# Altium PCB Copy of DIOT_SMA16_.PcbDoc (part 1 of 6) (continued)
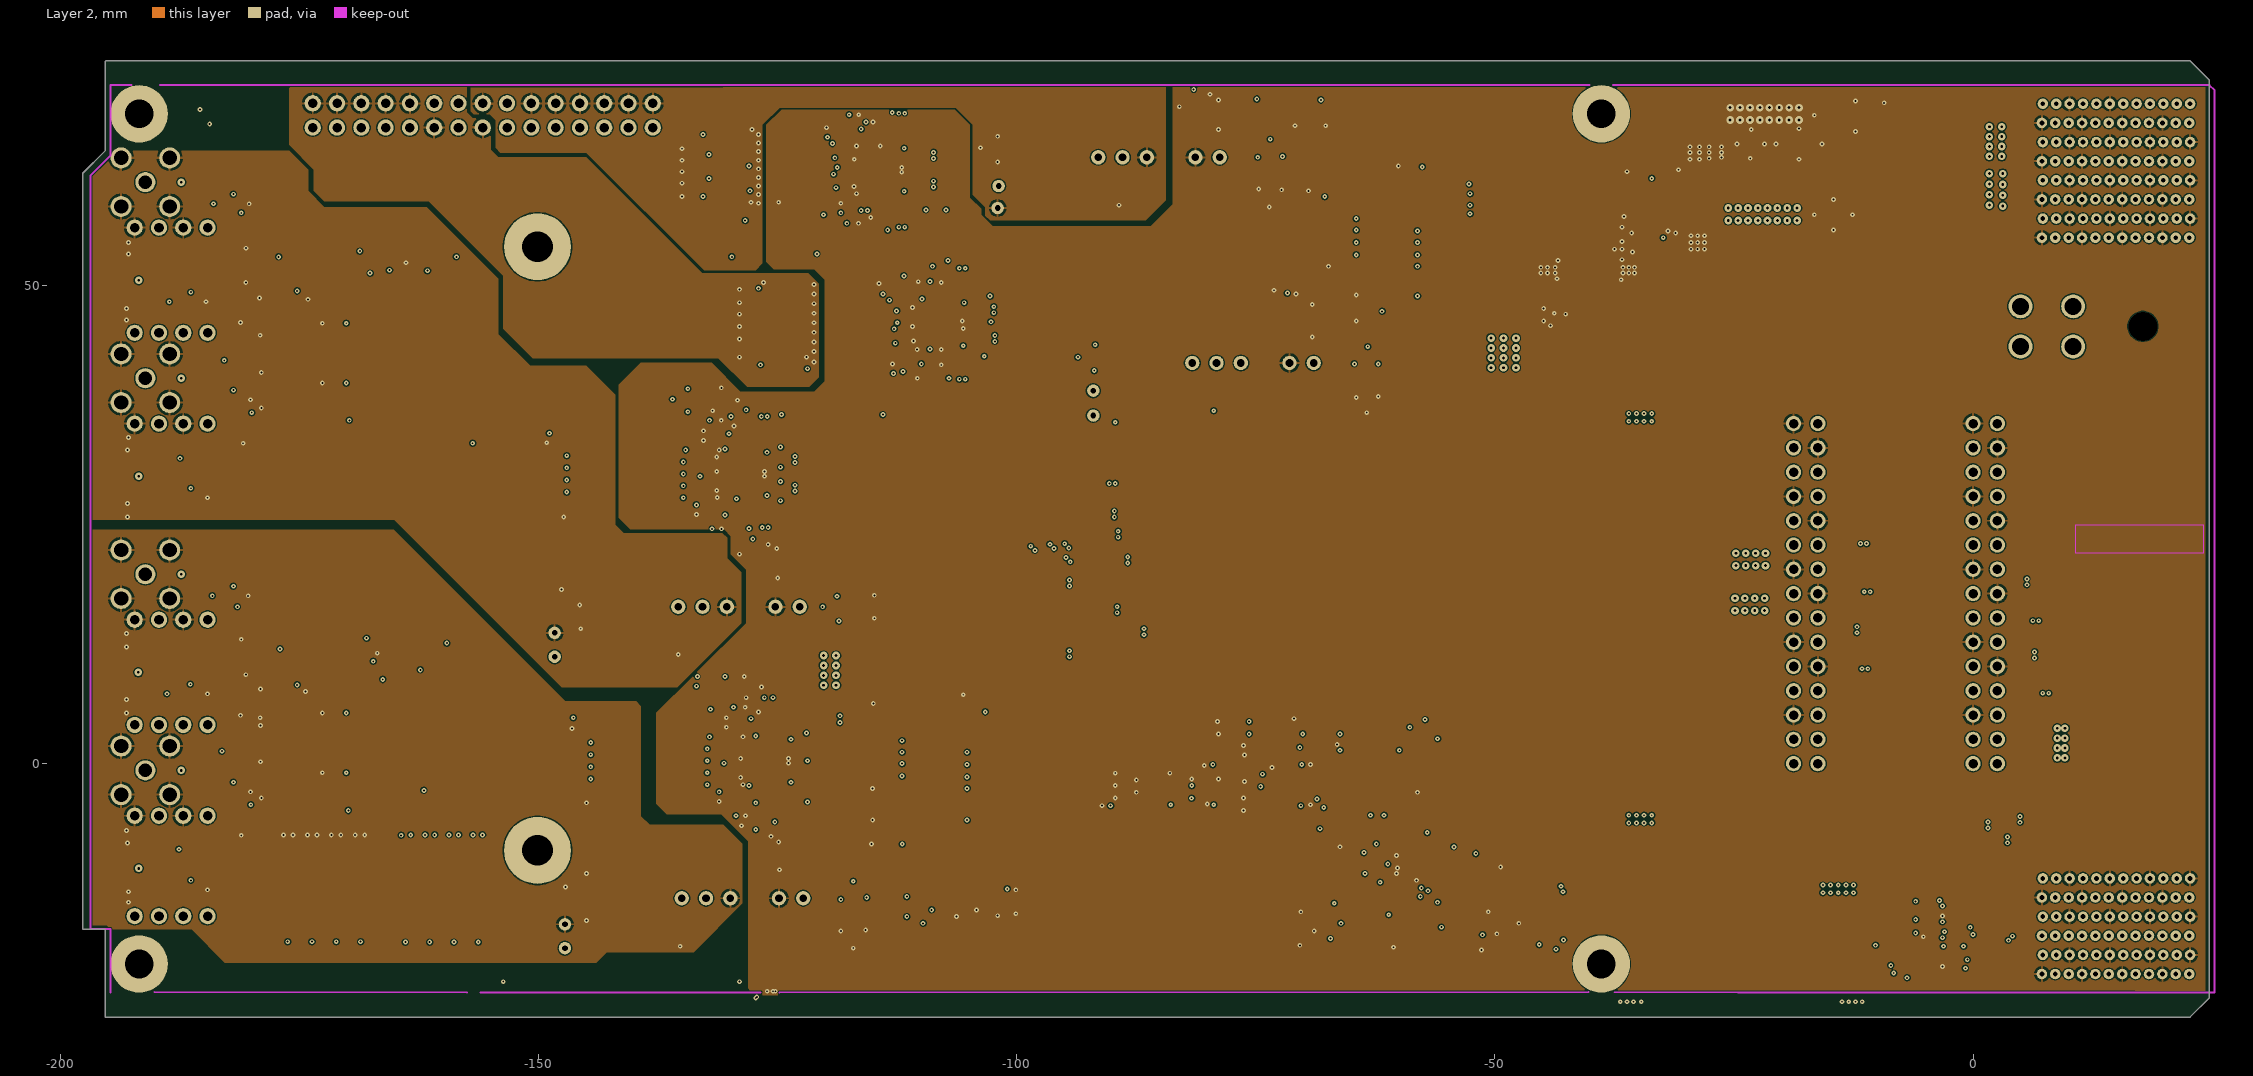
[diagram p5: Layer 2]

## Layer stack, top to bottom
TopSolder: solder mask 0.022, Solder Resist, Dk 3.5
TopLayer: signal copper 0.035
Dielectric1: prepreg 0.1164, FR-4, Dk 4.4
MidLayer1: signal copper 0.0152
Dielectric2: core 0.13, FR-4, Dk 4.2
MidLayer2: signal copper 0.0152
Dielectric 1: prepreg 0.1164, PP-016, Dk 4.4
Dielectric3: core 0.7, FR-4, Dk 4.2
Dielectric 2: prepreg 0.1164, PP-016, Dk 4.4
Layer 1: signal copper 0.0152
Dielectric 3: core 0.13, FR-4, Dk 4.2
Layer 2: signal copper 0.0152
Dielectric 4: prepreg 0.1164, FR-4, Dk 4.4
Bottom Layer: signal copper 0.035
Board Layer Stack Bottom Solder: solder mask 0.022, Solder Resist, Dk 3.5

## Board outline
-197.673,-17.3 -197.673,61.745 -195.343,64.075 -195.343,73.399 -195.242,73.5 22.696,73.5 24.696,71.5 24.696,-24.5 22.696,-26.5 -195.343,-26.5 -195.343,-17.3

## Design rules (kind name [scope] priority, off if disabled: settings)
AcuteAngle [All] p1: minimum=4.50000000000000E+0001 checktracksonly=FALSE
AssemblyTestPointUsage [All] p1 off:
AssemblyTestpoint [All] p1 off: testpointundercomponent=TRUE minsize=1.016 maxsize=2.54 preferedsize=1.524 minholesize=0 maxholesize=1.016 preferedholesize=0.813 testpointgrid=0.025 usegrid=TRUE gridtolerance=0 allowsidetop=TRUE allowsidebottom=TRUE
BoardOutlineClearance BoardOutlineClearance_1 [OnLayer('BottomOverlay', 'TopOverlay')] p1: gap=0 ignorepadtopadclearanceinfootprint=FALSE
BoardOutlineClearance [All] p2: gap=0.4 ignorepadtopadclearanceinfootprint=FALSE
Clearance Clearance_outer [All] p1: gap=0.12 ignorepadtopadclearanceinfootprint=FALSE
Clearance Clearance_balancing [InPolygonClass('Copper_Balancing') vs InAnyNet] p2: gap=2 ignorepadtopadclearanceinfootprint=FALSE
ComponentClearance ComponentClearance_6 [InComponent('J3')  OR InComponent('WASHER2') vs (InComponent('WASHER1') OR InComponent('WASHER2'))  OR Identifier = '7579'] p1: gap=0 collisioncheckmode=3 verticalgap=0 showdistances=FALSE
ComponentClearance ComponentClearance_5 [InComponent('J5') vs InComponent('B8','B9')] p2: gap=0 collisioncheckmode=3 verticalgap=0 showdistances=FALSE
ComponentClearance ComponentClearance_4 [InComponent('HS1') vs InComponent('IC4')] p3: gap=0 collisioncheckmode=3 verticalgap=0 showdistances=FALSE
ComponentClearance ComponentClearance_3 [Identifier = '2';] p4: gap=0 collisioncheckmode=3 verticalgap=0 showdistances=FALSE
ComponentClearance ComponentClearance_2 [Identifier = 'INL23001-10-1.7Y T725 - 05-Sep-2019';] p5: gap=0 collisioncheckmode=3 verticalgap=0 showdistances=FALSE
ComponentClearance ComponentClearance_1 [Identifier = '30848356-EEMFMC-A01.v1';] p6: gap=0 collisioncheckmode=3 verticalgap=0 showdistances=FALSE
ComponentClearance ComponentClearance_exception2 [InComponent('C1', 'C2','C9','C11','C29','C30','C17','C14','R2','R4','C217','C218','C210','C211','R263') vs InComponent('R6', 'R8', 'C5','C7','B1','C13','R21','R20','C19','C20', 'C12','C215','C216','C213','C214','R19')] p7: gap=0 collisioncheckmode=3 verticalgap=0 showdistances=FALSE
ComponentClearance ComponentClearance_exception1 [InComponent('TR1', 'TR2') vs InComponent('R1', 'R14' ,'R18' , 'R17')] p8: gap=0 collisioncheckmode=3 verticalgap=0 showdistances=FALSE
ComponentClearance ComponentClearance_exceptions [InComponent('J10') vs InComponent('J11')] p9: gap=0 collisioncheckmode=3 verticalgap=0 showdistances=FALSE
ComponentClearance [All] p10: gap=0.254 collisioncheckmode=3 verticalgap=0.254 showdistances=FALSE
DiffPairsRouting [InDifferentialPairClass('MGT')] p1: maxlimit=0.254 minlimit=0.127 mostfreqgap=0.127 toplayer_mingap=0.145 toplayer_maxgap=0.145 toplayer_prefgap=0.145 toplayer_minwidth=0.12 toplayer_maxwidth=0.12 toplayer_prefwidth=0.12 midlayer2_maxgap=0.127 midlayer2_minwidth=0.114 midlayer2_maxwidth=0.114 midlayer2_prefwidth=0.114 midlayer3_maxgap=0.127 midlayer3_minwidth=0.075 midlayer3_maxwidth=0.075 midlayer3_prefwidth=0.075 midlayer7_maxgap=0.127 midlayer7_minwidth=0.096 midlayer7_maxwidth=0.096 midlayer7_prefwidth=0.096 bottomlayer_mingap=0.145 bottomlayer_maxgap=0.145 bottomlayer_prefgap=0.145 bottomlayer_minwidth=0.12 bottomlayer_maxwidth=0.12 bottomlayer_prefwidth=0.12 impedanceprofiledriven=TRUE impedanceprofileid={FB752EDA-940F-4D5F-A599-D27A4E1750A0} impedanceprofilevalue=100.000000 maxuncoupledlength=12.7
DiffPairsRouting DiffPairsRouting_100_Ohm [InDifferentialPairClass('Diff_100Ohm')] p2: maxlimit=0.254 minlimit=0.127 mostfreqgap=0.127 toplayer_mingap=0.145 toplayer_maxgap=0.145 toplayer_prefgap=0.145 toplayer_minwidth=0.12 toplayer_maxwidth=0.12 toplayer_prefwidth=0.12 midlayer2_maxgap=0.127 midlayer2_minwidth=0.114 midlayer2_maxwidth=0.114 midlayer2_prefwidth=0.114 midlayer3_maxgap=0.127 midlayer3_minwidth=0.075 midlayer3_maxwidth=0.075 midlayer3_prefwidth=0.075 midlayer7_maxgap=0.127 midlayer7_minwidth=0.096 midlayer7_maxwidth=0.096 midlayer7_prefwidth=0.096 bottomlayer_mingap=0.145 bottomlayer_maxgap=0.145 bottomlayer_prefgap=0.145 bottomlayer_minwidth=0.12 bottomlayer_maxwidth=0.12 bottomlayer_prefwidth=0.12 impedanceprofiledriven=TRUE impedanceprofileid={FB752EDA-940F-4D5F-A599-D27A4E1750A0} impedanceprofilevalue=100.000000 maxuncoupledlength=11.1
FabricationTestPointUsage TestPointUsage [All] p1: valid=0 allowmultiple=FALSE
FabricationTestpoint Testpoint [All] p1: side=3 testpointundercomponent=TRUE minsize=1.016 maxsize=2.54 preferedsize=1.524 minholesize=0.508 maxholesize=1.016 preferedholesize=0.813 testpointgrid=0.025 allowsidetop=TRUE allowsidebottom=TRUE usegrid=TRUE gridtolerance=0
Height Height_1 [OnLayer('BottomLayer')] p1: minheight=0 maxheight=2 prefheight=1
Height [All] p2: minheight=0 maxheight=25.4 prefheight=12.7
HoleSize [All] p1: absolutevalues=TRUE maxlimit=3.2 minlimit=0.15 maxpercent=80.000 minpercent=20.000
HoleToHoleClearance [All] p1: gap=0.15 allowstackedmicrovias=TRUE
MatchedLengths MatchedLengths_IO [InxSignalClass('IO')] p1: tolerance=3 checknetsindiffpair=FALSE checkdiffpairvsdiffpair=TRUE checkxsignals=TRUE checkothers=TRUE targetsourcename=LVDS_DUAL.LVDS_P0_PP1
MatchedLengths MatchedLengths_EEM0 [InxSignalClass('EEM0')] p2: tolerance=10 checknetsindiffpair=FALSE checkdiffpairvsdiffpair=TRUE checkxsignals=TRUE checkothers=TRUE
MatchedLengths MatchedLengths_EEM1 [InxSignalClass('EEM1')] p3: tolerance=10 checknetsindiffpair=FALSE checkdiffpairvsdiffpair=TRUE checkxsignals=TRUE checkothers=TRUE
MinimumSolderMaskSliver MinimumSolderMaskSliver_IC13 [InComponent('IC13')] p1: minsoldermaskwidth=0.051
MinimumSolderMaskSliver [All] p2: minsoldermaskwidth=0.1
ParallelSegment [All] p1 off: limit=5 gap=0.254
PlaneClearance [All] p1: clearance=0.254
PlaneConnect PlaneConnect_1 [HasCompParameterValue('PressFit', 'Yes')] p1: planeconnectstyle=Direct reliefexpansion=0.2 reliefentries=4 reliefconductorwidth=0.254 reliefairgap=0.254
PlaneConnect [All] p2: pad.planeconnectstyle=Relief pad.reliefexpansion=0.2 pad.reliefentries=4 pad.reliefconductorwidth=0.254 pad.reliefairgap=0.254 via.planeconnectstyle=Direct via.reliefexpansion=0.2 via.reliefentries=4 via.reliefconductorwidth=0.254 via.reliefairgap=0.15
PolygonConnect PolygonConnect_1 [InPolygonClass('Direct')] p1: connectstyle=Direct reliefconductorwidth=0.254 reliefentries=2 polygonreliefangle="45 Angle" airgapwidth=0.254
PolygonConnect PolygonConnect_2 [InNetClass('PWR')] p2: thpad.connectstyle=Relief thpad.reliefconductorwidth=0.5 thpad.reliefentries=4 thpad.polygonreliefangle="90 Angle" thpad.airgapwidth=0.254 smdpad.connectstyle=Relief smdpad.reliefconductorwidth=0.5 smdpad.reliefentries=4 smdpad.polygonreliefangle="90 Angle" smdpad.airgapwidth=0.25 via.connectstyle=Direct via.reliefconductorwidth=0.254 via.reliefentries=2 via.polygonreliefangle="90 Angle" via.airgapwidth=0.254
PolygonConnect [All] p3: thpad.connectstyle=Relief thpad.reliefconductorwidth=0.254 thpad.reliefentries=4 thpad.polygonreliefangle="90 Angle" thpad.airgapwidth=0.254 smdpad.connectstyle=Relief smdpad.reliefconductorwidth=0.254 smdpad.reliefentries=4 smdpad.polygonreliefangle="90 Angle" smdpad.airgapwidth=0.254 via.connectstyle=Direct via.reliefconductorwidth=0.254 via.reliefentries=4 via.polygonreliefangle="90 Angle" via.airgapwidth=0.254
RoutingLayers RoutingLayers_1 [InAnyDifferentialPair] p1: top layer_v5=TRUE mid layer 1_v5=FALSE mid layer 2_v5=TRUE mid layer 3_v5=TRUE mid layer 7_v5=TRUE bottom layer_v5=TRUE
RoutingLayers RoutingLayers_2 [InNetClass('50Ohm')] p2: top layer_v5=TRUE mid layer 1_v5=FALSE mid layer 2_v5=TRUE mid layer 3_v5=TRUE mid layer 7_v5=TRUE bottom layer_v5=TRUE
RoutingLayers [All] p3: top layer_v5=TRUE mid layer 1_v5=TRUE mid layer 2_v5=TRUE mid layer 3_v5=FALSE mid layer 7_v5=TRUE bottom layer_v5=TRUE
RoutingVias [All] p1: holewidth=0.3 width=0.8 viastyle="Through Hole" minholewidth=0.2 minwidth=0.5 maxholewidth=0.6 maxwidth=1 viatemplateguid#1={0D116752-EA87-481B-9206-41BAF4146BFC} viatemplateguid#2={168CC3D4-46A9-4D9D-BB95-029752B0A818} viatemplateguid#3={7BA2FAF8-F5E9-4BF3-9BD8-21DB5C2C29C0} viatemplatename#1=v50h20 viatemplatename#2=v40h20 viatemplatename#3=v80h50
SMDEntry [All] p1 off: side=TRUE corner=TRUE anyangle=FALSE
SilkToSilkClearance [All] p1: silktosilkclearance=0.15
SilkToSolderMaskClearance SilkscreenOverComponentPads [IsPad] p1: minsilkscreentomaskgap=0.025 clearancetoexposedcopper=FALSE
SolderMaskExpansion SolderMaskExpansion_1 [IsVia] p1: expansion=0.05 istentingtop=FALSE
SolderMaskExpansion [All] p2: expansion=0.05 istentingtop=FALSE
StubLength [All] p1: limit=3
SupplyNets "Schematic Supply Nets_16" [InNet('P5V0_ISO1')] p1: voltage=0.000
SupplyNets "Schematic Supply Nets_15" [InNet('GND_ISO2')] p2: voltage=0.000
SupplyNets "Schematic Supply Nets_13" [InNet('P5V0_ISO2')] p3: voltage=0.000
SupplyNets "Schematic Supply Nets_12" [InNet('GND_ISO1')] p4: voltage=0.000
SupplyNets "Schematic Supply Nets_11" [InNet('P5V0_ISO3')] p5: voltage=0.000
SupplyNets "Schematic Supply Nets_10" [InNet('P5V0_ISO4')] p6: voltage=0.000
SupplyNets "Schematic Supply Nets_9" [InNet('GND_ISO3')] p7: voltage=0.000
SupplyNets "Schematic Supply Nets_8" [InNet('GND_ISO4')] p8: voltage=0.000
SupplyNets "Schematic Supply Nets_7" [InNet('GND')] p9: voltage=0.000
SupplyNets "Schematic Supply Nets_6" [InNet('P3V3_MP2')] p10: voltage=0.000
SupplyNets "Schematic Supply Nets_5" [InNet('P3V3_DIOT')] p11: voltage=0.000
SupplyNets "Schematic Supply Nets_4" [InNet('P12V0_DIOT')] p12: voltage=0.000
SupplyNets "Schematic Supply Nets_3" [InNet('P3V3_MP')] p13: voltage=0.000
SupplyNets "Schematic Supply Nets_2" [InNet('STRIP1')] p14: voltage=0.000
SupplyNets "Schematic Supply Nets_1" [InNet('P12V0')] p15: voltage=0.000
SupplyNets "Schematic Supply Nets" [InNet('P3V3')] p16: voltage=0.000
UnConnectedPin [All] p1 off:
UnRoutedNet UnRoutedNet_esd_strip [Not (InNet('STRIP1') or InNet('FMC_VIO_B_M2C'))] p2:
UnpouredPolygon UnpouredPolygon_1 [InPolygonClass('Copper_Balancing')] p1: allowunpoured=TRUE
UnpouredPolygon [All] p2:
ViasUnderSMD [All] p1: allowed=TRUE
Width Width_pwr [InNetClass('PWR')] p1: maxlimit=2 minlimit=0.3 preferedwidth=1
Width Width_50Ohm [InNetClass('50Ohm')] p2: maxlimit=5454.608 minlimit=0.098 preferedwidth=0.176 toplayer_minwidth=0.186 toplayer_maxwidth=0.186 toplayer_prefwidth=0.186 midlayer2_minwidth=0.176 midlayer2_maxwidth=0.176 midlayer3_maxwidth=0.098 midlayer3_prefwidth=0.098 midlayer7_minwidth=0.176 midlayer7_maxwidth=0.176 bottomlayer_minwidth=0.186 bottomlayer_maxwidth=0.186 bottomlayer_prefwidth=0.186 impedanceprofiledriven=TRUE impedanceprofileid={766963E9-4C46-4FD0-92C7-72FE31CC1419} impedanceprofilevalue=50.000000 minimp=50.000000 maximp=50.000000 favimp=50.000000
Width [All] p3: maxlimit=2 minlimit=0.12 preferedwidth=0.15
14 further rules are at their usual default settings.

## Classes and differential pairs
net class HPOW: P12V0
component class U_DIOT_SMA_Supply: B3 B4 B5 B6 B7 B8 B9 B10 C3 C4 C5 C6 C7 C15 C16 C17 C18 C19 C20 C21 C22 C23 C24 C25 C26 C27 C28 C29 C30 C31 C32 C33 C34 C35 C36 C37 C38 C39 C41 C42 C43 C44 C45 C46 C47 C48 C49 C50 C51 C52 C53 C54 C55 C56 C57 C58 C59 C60 C61 C62 C63 C64 C65 C66 C67 C68 C69 C70 C71 C72 C73 C74 IC19 IC20 IC21 IC22 IC23 IC24 IC27 IC28 R51 R52 R53 R54
component class U_DIOT_SMA_EXT: C2 IC2 IC3 IC4 IC5 IC7 IC9 IC10 IC11 IC12 IC13 IC15 IC16 IC18 J1 R4 R5 R6 R7 R8 R9 R10 R11 R12 R13 R14 R15 R16 R17 R18 R19 R20 R21 R22 R23 R24 R25 R26 R27 R29 R31 R34 R36 R41 R42 R44 R45 R47 R48 R49 R50 R55 R56 SW1
component class U_DIOT_SMA_BASE: C75 C76 C77 C78 C88 C96 C97 C98 C99 D4 D9 D13 D14 IC30 IC31 IC32 IC34 IC35 IC36 IC37 IC38 IC39 IC41 IC44 IC45 IC46 IC47 IC48 IC49 IC51 J2 J3 J4 J5 J11 J12 J13 J14 LD1 LD2 LD3 LD6 LD7 LD8 R58 R59 R60 R61 R62 R63 R64 R65 R66 R67 R68 R69 R70 R71 R72 R73 R74 R75 R76 R78 R79 R80 R81 R82 R83 R84 R85 R86 R87 R88 R89 R90 R91 R92 R93 R94 R95 R96 R97 R98 R99 R100 R101 R102 R103 R104 R105 R106 R107 R108 R109 R110 R111 R112 R113 R114 R115 R116 R117 R118 R121 R122 R123 R124 R125 R129 R160 R165 R166 R179 R182 R183 R184 R185 R189 R191 R192 R193 R195 R196 R197 R198 SW2 SW3 SW4 T3 T4 T5 T6 T7 T8 T9 T10 T11 T12 T13 T14 T15 T16
component class EEM_Connectors: C219 C220 C298 C306 C307 D8 IC25 IC26 IC40 IC42 IC43 J8 J9 R3 R57 R77 R143 R144 R145 R146 R147 R148 R149 R150 R151 R152 R156 R157 R158 R159 R161 R162 R163 R164 R167 R168 R169 R170 R171 R172 R173 R174 R175 R176 R177 R178 R180 R257 R260 R261 R262
differential pair class MGT: BP_MGT.Rx BP_MGT.Tx BP_MGT_Rx BP_MGT_Tx FMC_MGT.DP_C2M0 FMC_MGT.DP_C2M1 FMC_MGT.DP_C2M2 FMC_MGT.DP_C2M3 FMC_MGT.DP_C2M4 FMC_MGT.DP_C2M5 FMC_MGT.DP_C2M6 FMC_MGT.DP_C2M7 FMC_MGT.DP_C2M8 FMC_MGT.DP_C2M9 FMC_MGT.DP_M2C0 FMC_MGT.DP_M2C1 FMC_MGT.DP_M2C2 FMC_MGT.DP_M2C3 FMC_MGT.DP_M2C4 FMC_MGT.DP_M2C5 FMC_MGT.DP_M2C6 FMC_MGT.DP_M2C7 FMC_MGT.DP_M2C8 FMC_MGT.DP_M2C9 MGT_RX0 MGT_RX1 MGT_RX2 MGT_RX3 MGT_RXC3 MGT_TX0 MGT_TX1 MGT_TX2 MGT_TX3 MGT_TXC3
net class LVDS_DUAL_P[0..4]: LVDS_DUAL.LVDS_P0 LVDS_DUAL.LVDS_P1 LVDS_DUAL.LVDS_P2 LVDS_DUAL.LVDS_P3 LVDS_DUAL.LVDS_P4
net class LVDS_DUAL_N[0..4]: LVDS_DUAL.LVDS_N0 LVDS_DUAL.LVDS_N1 LVDS_DUAL.LVDS_N2 LVDS_DUAL.LVDS_N3 LVDS_DUAL.LVDS_N4
net class ESD_STRIP: STRIP1 STRIP2 STRIP3
net class PWR: NetC264_2 P12V0 P12V0_DIOT
differential pair class Diff_100Ohm: BP_IO.LVDS0 BP_IO.LVDS1 BP_IO.LVDS2 BP_IO.LVDS3 BP_IO.LVDS4 BP_IO.LVDS5 BP_IO.LVDS6 BP_IO.LVDS7 BP_IO.LVDS8 BP_IO.LVDS9 BP_IO.LVDS10 BP_IO.LVDS11 BP_IO.LVDS12 BP_IO.LVDS13 BP_IO.LVDS14 BP_IO.LVDS15 CK_MMCX CK_MMCX_ALT CK_MMCX_IN CK_OSC CK_OSC_ALT CK_SMA CK_SMA_ALT CK_SMA_IN DDR3_CK DDR3_LDQS DDR3_UDQS EEM_IO.LVDS0 EEM_IO.LVDS1 EEM_IO.LVDS2 EEM_IO.LVDS3 EEM_IO.LVDS4 EEM_IO.LVDS5 EEM_IO.LVDS6 EEM_IO.LVDS7 EEM_IO.LVDS8 EEM_IO.LVDS9 EEM_IO.LVDS10 EEM_IO.LVDS11 EEM_IO.LVDS12 EEM_IO.LVDS13 EEM_IO.LVDS14 EEM_IO.LVDS15 FMC.HA0 FMC.HA1 FMC.HA2 FMC.HA3 FMC.HA4 FMC.HA5 FMC.HA6 FMC.HA7 FMC.HA8 FMC.HA9 FMC.HA10 FMC.HA11 FMC.HA12 FMC.HA13 FMC.HA14 FMC.HA15 FMC.HA16 FMC.HA17 FMC.HA18 FMC.HA19 FMC.HA20 FMC.HA21 FMC.HA22 FMC.HA23 FMC.HB0 FMC.HB1 FMC.HB2 FMC.HB3 FMC.HB4 FMC.HB5 FMC.HB6 FMC.HB7 FMC.HB8 FMC.HB9 FMC.HB10 FMC.HB11 FMC.HB12 FMC.HB13 FMC.HB14 FMC.HB15 FMC.HB16 FMC.HB17 FMC.HB18 FMC.HB19 FMC.HB20 FMC.HB21 FMC.LA0 FMC.LA1 FMC.LA2 FMC.LA3 FMC.LA4 FMC.LA5 FMC.LA6 FMC.LA7 FMC.LA8 FMC.LA9 FMC.LA10 FMC.LA11 FMC.LA12 FMC.LA13 FMC.LA14 FMC.LA15 FMC.LA16 FMC.LA17 FMC.LA18 FMC.LA19 FMC.LA20 FMC.LA21 FMC.LA22 FMC.LA23 FMC.LA24 FMC.LA25 FMC.LA26 FMC.LA27 FMC.LA28 FMC.LA29 FMC.LA30 FMC.LA31 FMC.LA32 FMC.LA33 FMC_CLK.CLK_BIDIR2 FMC_CLK.CLK_BIDIR3 FMC_CLK.CLK_M2C0 FMC_CLK.CLK_M2C1 FMC_MGT.GBTCLK_M2C0 FMC_MGT.GBTCLK_M2C1 GBTCLK0_M2C LVDS_DUAL0 LVDS_DUAL1 LVDS_DUAL2 LVDS_DUAL3 LVDS_DUAL4 LVDS_DUAL.LVDS0 LVDS_DUAL.LVDS1 LVDS_DUAL.LVDS2 LVDS_DUAL.LVDS3 LVDS_DUAL.LVDS4 LVDS_JTAG_TCK LVDS_JTAG_TDI LVDS_JTAG_TDO LVDS_JTAG_TMS LVDS_JTAG_TRSTn MGT_OR_LVDS OSC PE_CK PE_CLK PE_CLK.CLK PE_CLK_ALT
net class SHARED_BUS_[0..4]: SHARED_BUS_0 SHARED_BUS_1 SHARED_BUS_2 SHARED_BUS_3 SHARED_BUS_4
net class GA[0..3]: GA0 GA1 GA2 GA3
net class EEM_IO.LVDS_P[5..15]: EEM_IO.LVDS_P5 EEM_IO.LVDS_P6 EEM_IO.LVDS_P7 EEM_IO.LVDS_P8 EEM_IO.LVDS_P9 EEM_IO.LVDS_P10 EEM_IO.LVDS_P11 EEM_IO.LVDS_P12 EEM_IO.LVDS_P13 EEM_IO.LVDS_P14 EEM_IO.LVDS_P15
net class EEM_IO.LVDS_N[5..15]: EEM_IO.LVDS_N5 EEM_IO.LVDS_N6 EEM_IO.LVDS_N7 EEM_IO.LVDS_N8 EEM_IO.LVDS_N9 EEM_IO.LVDS_N10 EEM_IO.LVDS_N11 EEM_IO.LVDS_N12 EEM_IO.LVDS_N13 EEM_IO.LVDS_N14 EEM_IO.LVDS_N15
net class BP_IO.LVDS_P[0..15]: BP_IO.LVDS_P0 BP_IO.LVDS_P1 BP_IO.LVDS_P2 BP_IO.LVDS_P3 BP_IO.LVDS_P4 BP_IO.LVDS_P5 BP_IO.LVDS_P6 BP_IO.LVDS_P7 BP_IO.LVDS_P8 BP_IO.LVDS_P9 BP_IO.LVDS_P10 BP_IO.LVDS_P11 BP_IO.LVDS_P12 BP_IO.LVDS_P13 BP_IO.LVDS_P14 BP_IO.LVDS_P15
net class BP_IO.LVDS_N[0..15]: BP_IO.LVDS_N0 BP_IO.LVDS_N1 BP_IO.LVDS_N2 BP_IO.LVDS_N3 BP_IO.LVDS_N4 BP_IO.LVDS_N5 BP_IO.LVDS_N6 BP_IO.LVDS_N7 BP_IO.LVDS_N8 BP_IO.LVDS_N9 BP_IO.LVDS_N10 BP_IO.LVDS_N11 BP_IO.LVDS_N12 BP_IO.LVDS_N13 BP_IO.LVDS_N14 BP_IO.LVDS_N15
component class CPCIS_Connectors_P1_P6: C1 C8 C10 C11 C12 C14 D1 D2 D5 D6 D7 IC1 IC6 IC8 J6 J7 R1 R2 R28 R30 R32 R33 R35 R37 R38 R39 R40 R43 R46 R130 R131 R132 R133 R134 R135 R136 R137 R138 R139 R140 T1 T2
component class DIOT_SMA16: C212 FTG1 FTG2 FTG3 FTG4 M1 M2 M3 M4 R119 R120 R126 WASHER1 WASHER2 WASHER3 WASHER4 WASHER5 WASHER6 WASHER7 WASHER8
component class U_PWR_Supply: C40 C79 C80 C81 C82 C83 C84 C85 C86 C87 C102 C245 C262 C263 C264 D10 D11 FL1 IC14 IC17 IC33 J10 L9 L10 LD4 LD5 LD11 R153 R154 R155 R186 R187 R188 R194 R224 R225 TP2 TP3
pad class MH: M3-1 M4-1
differential pair PE_CLK: +PE_CLK_P -PE_CLK_N
differential pair LVDS_DUAL.LVDS4: +LVDS_DUAL.LVDS_P4 -LVDS_DUAL.LVDS_N4
differential pair LVDS_DUAL.LVDS3: +LVDS_DUAL.LVDS_P3 -LVDS_DUAL.LVDS_N3
differential pair LVDS_DUAL.LVDS2: +LVDS_DUAL.LVDS_P2 -LVDS_DUAL.LVDS_N2
differential pair LVDS_DUAL.LVDS1: +LVDS_DUAL.LVDS_P1 -LVDS_DUAL.LVDS_N1
differential pair LVDS_DUAL.LVDS0: +LVDS_DUAL.LVDS_P0 -LVDS_DUAL.LVDS_N0
differential pair EEM_IO.LVDS15: +EEM_IO.LVDS_P15 -EEM_IO.LVDS_N15
differential pair EEM_IO.LVDS14: +EEM_IO.LVDS_P14 -EEM_IO.LVDS_N14
differential pair EEM_IO.LVDS13: +EEM_IO.LVDS_P13 -EEM_IO.LVDS_N13
differential pair EEM_IO.LVDS12: +EEM_IO.LVDS_P12 -EEM_IO.LVDS_N12
differential pair EEM_IO.LVDS11: +EEM_IO.LVDS_P11 -EEM_IO.LVDS_N11
differential pair EEM_IO.LVDS10: +EEM_IO.LVDS_P10 -EEM_IO.LVDS_N10
differential pair EEM_IO.LVDS9: +EEM_IO.LVDS_P9 -EEM_IO.LVDS_N9
differential pair EEM_IO.LVDS8: +EEM_IO.LVDS_P8 -EEM_IO.LVDS_N8
differential pair EEM_IO.LVDS7: +EEM_IO.LVDS_P7 -EEM_IO.LVDS_N7
differential pair EEM_IO.LVDS6: +EEM_IO.LVDS_P6 -EEM_IO.LVDS_N6
differential pair EEM_IO.LVDS5: +EEM_IO.LVDS_P5 -EEM_IO.LVDS_N5
differential pair BP_MGT_Tx: +BP_MGT_Tx_P -BP_MGT_Tx_N
differential pair BP_MGT_Rx: +BP_MGT_Rx_P -BP_MGT_Rx_N
differential pair BP_IO.LVDS15: +BP_IO.LVDS_P15 -BP_IO.LVDS_N15
differential pair BP_IO.LVDS14: +BP_IO.LVDS_P14 -BP_IO.LVDS_N14
differential pair BP_IO.LVDS13: +BP_IO.LVDS_P13 -BP_IO.LVDS_N13
differential pair BP_IO.LVDS12: +BP_IO.LVDS_P12 -BP_IO.LVDS_N12
differential pair BP_IO.LVDS11: +BP_IO.LVDS_P11 -BP_IO.LVDS_N11
differential pair BP_IO.LVDS10: +BP_IO.LVDS_P10 -BP_IO.LVDS_N10
differential pair BP_IO.LVDS9: +BP_IO.LVDS_P9 -BP_IO.LVDS_N9
differential pair BP_IO.LVDS8: +BP_IO.LVDS_P8 -BP_IO.LVDS_N8
differential pair BP_IO.LVDS7: +BP_IO.LVDS_P7 -BP_IO.LVDS_N7
differential pair BP_IO.LVDS6: +BP_IO.LVDS_P6 -BP_IO.LVDS_N6
differential pair BP_IO.LVDS5: +BP_IO.LVDS_P5 -BP_IO.LVDS_N5
differential pair BP_IO.LVDS4: +BP_IO.LVDS_P4 -BP_IO.LVDS_N4
differential pair BP_IO.LVDS3: +BP_IO.LVDS_P3 -BP_IO.LVDS_N3
differential pair BP_IO.LVDS2: +BP_IO.LVDS_P2 -BP_IO.LVDS_N2
differential pair BP_IO.LVDS1: +BP_IO.LVDS_P1 -BP_IO.LVDS_N1
differential pair BP_IO.LVDS0: +BP_IO.LVDS_P0 -BP_IO.LVDS_N0
